# KiCad board AmigaPCI Mainboard.kicad_pcb (continued)
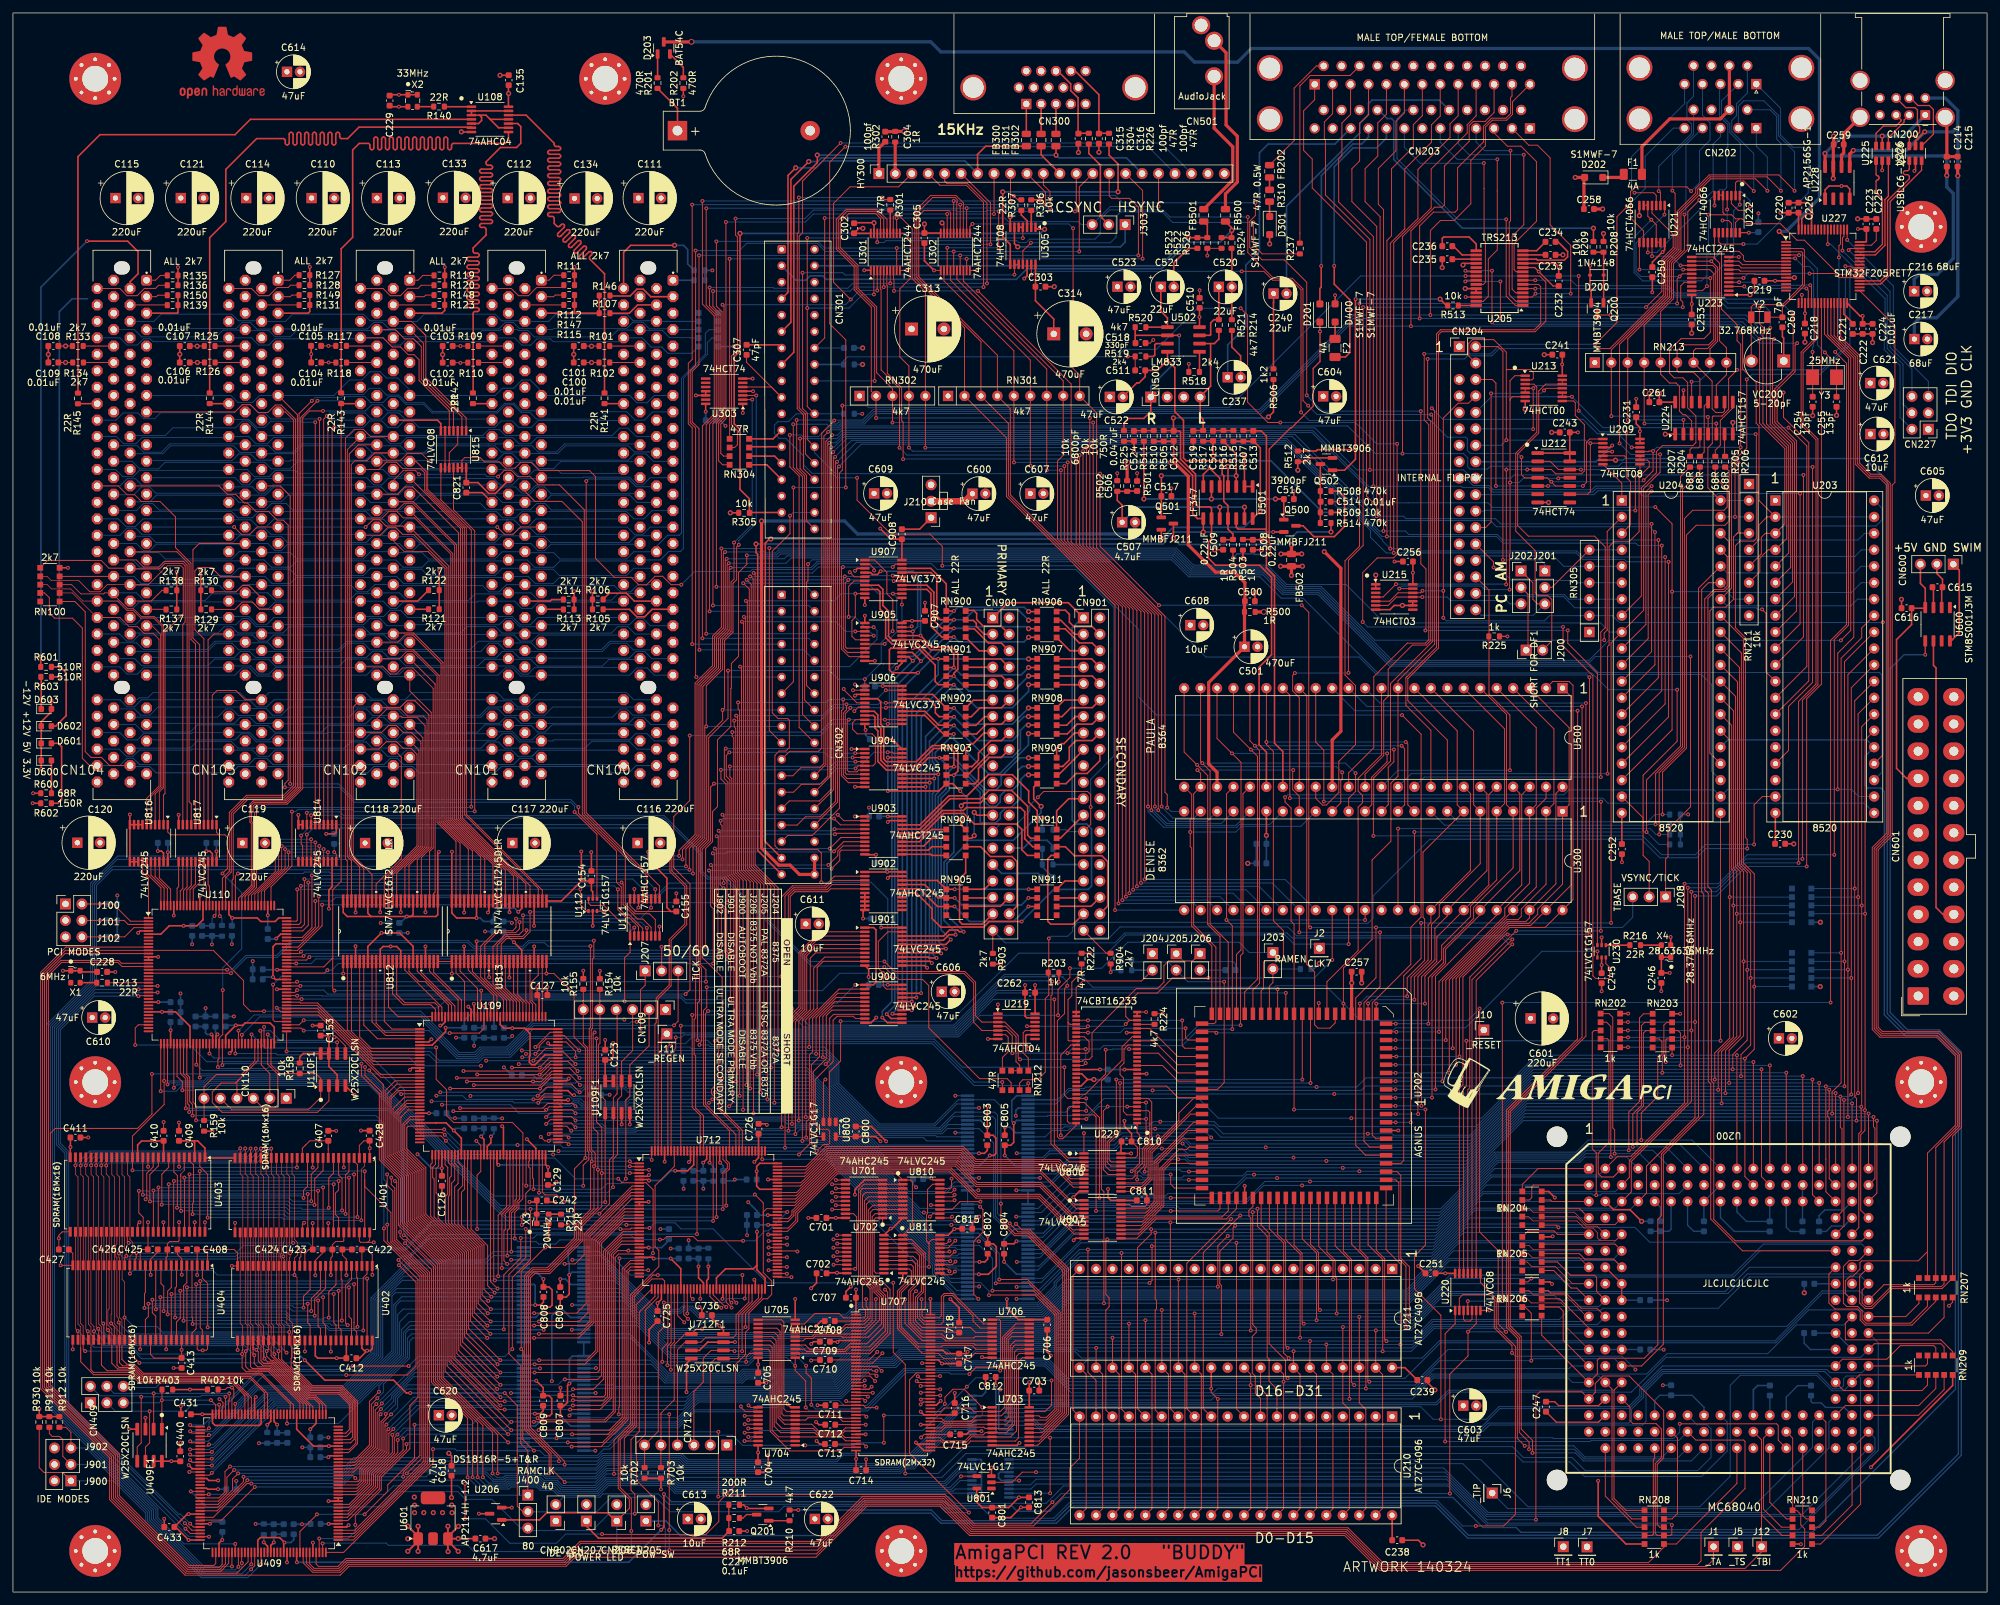
[diagram p0: board, top side]
## Routing (per net, layer and track width the routed paths; a pad name or vN(x,y) marks a point on that pad's centre or on a via; arc(x,y) is an arc through that point) (continued)
A9: length 407
  Top w0.15: v2(182.45,43.02) 182.47,43 U211.28 183.49,33.63 183.49,12.88 U210.28 ; v2(204.38,43.02) 204.38,48.46 204.15,48.69 204.15,51.23 202.88,52.5 U202.68 ; U200.70 267.04,52.69 262.14,57.6 262.14,78.48 261.76,78.86 261.76,107.9 261.21,108.45 261.21,153.35 262.66,154.8 264.11,154.8 264.68,155.36 264.68,159.91 U204.37 ; RN206.6 233.9,47.89 v2(234.44,48.43)
  Bottom w0.15: U200.70 269.73,52.69 265.69,48.65 235.93,48.65 235.71,48.43 v2(234.44,48.43) 221.79,48.43 216.39,43.02 v2(204.38,43.02) v2(182.45,43.02) 162.06,43.02 159.79,40.75 132,40.75 127.69,36.44 121.56,36.44 121.19,36.82 114.51,36.82 113.76,36.07 101.49,36.07 96.42,41.14 U804.44 ; U203.37 285.42,160.94 284.39,159.91 264.68,159.91 U204.37
A10: length 398
  Top w0.15: RN206.1 236.03,39.66 U200.115 244.63,33.68 244.63,35.8 244.94,36.11 251.89,36.11 253.97,38.19 253.97,57.56 254.52,58.11 254.52,67.65 260.25,73.38 260.25,109.09 260.25,109.09 260.25,155 U204.36 ; v2(206.36,29.82) 206.36,51.26 204.15,53.47 U202.69 ; U210.29 186.02,12.88 v2(186.02,29.82) 185.01,30.83 U211.29 v2(185.01,31.43)
  Bottom w0.15: v2(186.02,29.82) v2(206.36,29.82) 216.06,29.82 219.3,33.06 240.1,33.06 240.79,32.37 U200.115 ; U203.36 285.36,158.4 284.33,157.38 264.68,157.38 U204.36 ; U805.44 92.98,24.38 94.28,25.68 102.64,25.68 105.1,28.14 114.31,28.14 114.97,28.8 117.81,28.8 118.89,29.88 127.91,29.88 132.7,34.67 136.3,34.67 137.55,35.92 143.64,35.92 144.76,34.8 151.28,34.8 151.69,35.21 159.39,35.21 163.17,31.43 v2(185.01,31.43)
A11: length 387.5
  Top w0.15: U200.111 251.46,34.91 254.82,38.27 254.82,67.52 261.06,73.77 261.06,107.77 260.74,108.09 260.74,154.81 261.79,155.86 U204.35 ; U211.31 191.11,33.63 191.11,12.88 U210.31 ; v2(234.43,35.73) 234.43,43.06 233.48,44.01 RN206.9 ; v2(207.09,31.95) 206.65,32.39 206.65,51.39 205.42,52.62 U202.70
  Bottom w0.15: 143.75,36.22 143.21,36.22 ; U200.111 247.28,36.03 234.74,36.03 v2(234.43,35.73) 220.27,35.73 216.5,31.95 v2(207.09,31.95) v2(191.11,31.95) 163.07,31.95 159.51,35.51 151.57,35.51 151.15,35.09 144.89,35.09 143.76,36.22 143.21,36.22 ; U203.35 285.38,155.86 283.86,154.34 265.17,154.34 U204.35 ; 143.21,36.22 137.35,36.22 136.1,34.97 132.58,34.97 127.79,30.18 118.76,30.18 117.93,29.35 105.89,29.35 102.52,25.98 94.16,25.98 93.19,25.01 U805.43
A12: length 231.8
  Top w0.15: U211.32 v2(192.63,31.43) 193.64,30.41 193.64,12.88 U210.32 ; U202.71 206.69,53.71 208.89,51.5 v2(208.89,31.43) ; RN206.2 238.73,44.01 239.36,43.38 239.36,38.87 U200.109
  Bottom w0.15: U805.46 92.13,23.1 94.41,25.38 102.76,25.38 105.22,27.84 114.43,27.84 115.09,28.5 117.93,28.5 119.01,29.58 127.53,29.58 128.31,28.8 131.84,28.8 137.54,34.5 151.4,34.5 151.82,34.91 159.26,34.91 163.4,30.77 185.32,30.77 185.98,31.43 v2(192.63,31.43) v2(208.89,31.43) 216.4,31.43 219.49,34.52 240.28,34.52 240.67,34.91 U200.109
A13: length 231.4
  Top w0.11: RN206.8 233.79,45.29 234.44,44.64 234.45,44.65 239.04,44.65 239.86,43.83 239.86,40.91 U200.103
  Top w0.15: U211.33 196.19,33.63 v2(196.19,32.48) 196.19,12.88 U210.33 ; v2(209.42,32.48) 209.19,32.7 209.19,51.63 207.96,52.86 U202.72
  Bottom w0.15: U805.41 102.39,26.28 105.76,29.65 117.81,29.65 118.64,30.48 127.67,30.48 132.46,35.27 135.98,35.27 137.23,36.52 143.89,36.52 145.01,35.39 151.03,35.39 151.44,35.81 159.63,35.81 162.97,32.48 v2(196.19,32.48) 216.6,32.48 221.57,37.45 U200.103
A14: length 222.1
  Top w0.15: RN206.3 238.8,45.29 243.32,40.77 U200.97 ; U210.34 198.73,12.88 198.73,33.63 U211.34 197.71,37.16 v2(197.73,37.18) ; U202.73 209.23,53.63 211.49,51.37 v2(211.49,37.18)
  Bottom w0.15: U805.37 103.66,28.82 105.39,30.55 117.44,30.55 118.27,31.38 127.29,31.38 132.08,36.17 135.6,36.17 136.85,37.42 144.26,37.42 145.21,36.47 147.67,36.47 148.62,37.42 164.27,37.42 164.51,37.18 v2(197.73,37.18) v2(211.49,37.18) 215.9,37.18 219.45,40.73 231.01,40.73 231.75,39.99 U200.97
A15: length 221.8
  Top w0.11: 242.99,42.53 239.62,45.89 234.75,45.89 234.07,46.57 RN206.7
  Top w0.15: U202.74 210.5,52.78 211.79,51.49 211.79,39.02 v2(212.06,38.75) ; v2(200.26,38.75) 200.25,38.74 U211.35 201.26,33.63 201.26,12.88 U210.35
  Bottom w0.15: U200.91 242.57,41.79 219.23,41.79 216.2,38.75 v2(212.06,38.75) v2(200.26,38.75) 161.29,38.75 160.89,38.35 132.99,38.35 126.92,32.28 117.89,32.28 117.06,31.45 88.22,31.45
A16: length 226.7
  Top w0.15: U210.36 203.81,12.88 203.81,33.63 U211.36 v2(202.79,38.23) ; U202.75 212.01,52.88 214.23,50.66 v2(214.23,38.23) ; RN206.4 237.04,46.57 237.44,46.18 239.77,46.18 242.13,43.82 244.57,43.82 U200.92
  Bottom w0.15: U200.92 244.66,41.33 219.2,41.33 216.1,38.23 v2(214.23,38.23) v2(202.79,38.23) 161.2,38.23 161.02,38.05 133.11,38.05 127.04,31.98 118.02,31.98 117.19,31.15 105.14,31.15 104.08,30.09 U805.35
A17: length 225.8
  Top w0.15: RN205.1 237.88,49.65 240.59,46.94 241.45,46.94 U200.85 ; U202.76 213.52,63.65 213.98,63.19 213.98,51.43 215.08,50.33 v2(215.08,40.92) ; U210.37 206.35,12.88 206.35,28.19 205.33,29.2 U211.37 205.33,40.9 v2(205.35,40.92)
  Bottom w0.15: U200.85 238.71,45.07 237.97,45.81 220.88,45.81 215.99,40.92 v2(215.08,40.92) v2(205.35,40.92) 161.66,40.92 160.29,39.55 132.49,39.55 126.44,33.5 113.02,33.5 112.42,32.9 100.88,32.9 98.61,35.17 U805.27
A18: length 232.1
  Top w0.11: U200.79 240.79,47.61 238.11,50.29 234.48,50.29 233.8,50.97 RN205.9
  Top w0.15: U210.38 208.88,12.88 208.88,28.2 207.87,29.21 U211.38 v2(207.87,42.5) ; U202.77 213.69,64.92 214.28,64.33 214.28,51.55 215.61,50.22 v2(215.61,42.5)
  Bottom w0.15: U200.79 239.75,47.61 239.01,48.35 236.21,48.35 235.47,47.61 221.41,47.61 216.29,42.5 v2(215.61,42.5) v2(207.87,42.5) 161.96,42.5 159.92,40.45 132.12,40.45 126.07,34.4 112.65,34.4 112.05,33.8 101.26,33.8 95.18,39.88 88.13,39.88
A19: length 227.3
  Top w0.15: U200.86 244.52,46.41 244.52,48.59 244.19,48.92 240.5,48.92 238.45,50.97 RN205.2 ; U202.59 191.45,59.53 190.82,58.91 190.82,58.07 191.12,57.78 191.12,40.4 v2(191.12,40.39) ; U210.39 211.48,12.94 211.48,33.58 U211.39 210.41,40.38 v2(210.43,40.39)
  Bottom w0.15: U805.29 99.46,33.9 100.76,32.6 112.55,32.6 113.15,33.2 126.57,33.2 132.62,39.25 160.41,39.25 161.56,40.39 v2(191.12,40.39) v2(210.43,40.39) 215.88,40.39 219.58,44.09 244.87,44.09 U200.86
A20: length 218.9
  Top w0.11: RN205.8 233.99,52.25 234.62,51.62 241.85,51.62 243.32,50.15
  Top w0.15: v2(168.45,44.6) 168.44,44.61 168.44,61.82 168.05,62.21 168.05,78.91 168.44,79.3 168.44,79.3 171.25,82.11 171.25,84.19 172.81,85.75 U229.22
  Bottom w0.15: U804.41 95.36,43.05 101.74,36.68 113.47,36.68 114.22,37.43 121.43,37.43 121.81,37.05 127.44,37.05 131.75,41.35 159.54,41.35 162.79,44.6 v2(168.45,44.6) 215.6,44.6 221.16,50.15 243.32,50.15
A21: length 173.8
  Top w0.11: RN205.7 234.07,53.53 234.72,52.88 243.13,52.88
  Bottom w0.15: U200.67 222.42,52.69 215.46,45.72 162.64,45.72 159.17,42.25 131.37,42.25 128.3,39.18 100.51,39.18 94.1,45.59 U804.37
A22: length 175.5
  Top w0.15: RN205.6 233.95,55.76 237.96,55.76 238.49,55.23 U200.61
  Bottom w0.15: 243.04,55.51 223.97,55.51 215.08,46.62 162.27,46.62 158.8,43.15 131,43.15 127.93,40.07 100.88,40.07 92.83,48.13 U804.33
A23: length 182.3
  Top w0.15: 248.4,50.15 247.15,51.4 242.7,51.4 241.85,52.25 RN205.3
  Bottom w0.15: U804.40 95.15,43.69 101.11,37.72 121.56,37.72 121.94,37.34 127.32,37.34 131.62,41.65 159.42,41.65 162.89,45.12 215.7,45.12 221.77,51.19 247.36,51.19 248.4,50.15
A24: length 174
  Top w0.15: RN204.3 241.83,59.26 243.32,57.77
  Bottom w0.15: U804.26 90.5,52.57 99.42,43.66 102.86,43.66 103.35,44.15 104.91,44.15 106.16,42.9 128.63,42.9 130.38,44.65 158.18,44.65 160.77,47.25 160.77,47.85 164.76,51.83 219.02,51.83 224.96,57.77 243.32,57.77
A25: length 182.1
  Top w0.15: U200.69 247.36,53.73 236.24,53.73
  Bottom w0.15: U200.69 247.2,51.49 221.64,51.49 215.58,45.43 162.77,45.43 159.29,41.95 131.5,41.95 127.19,37.64 122.06,37.64 121.68,38.02 101.24,38.02 94.31,44.95 U804.38
A26: length 178
  Top w0.11: RN204.2 241.38,57.98 242.86,56.5 244.6,56.5 U200.62
  Bottom w0.15: U200.62 244.87,54.25 223.13,54.25 215.21,46.32 162.4,46.32 158.92,42.85 131.13,42.85 128.05,39.77 100.76,39.77 93.67,46.86 U804.35
A27: length 177.7
  Top w0.15: U200.37 237.63,60.31 237.4,60.54 RN204.4 ; v2(175.49,47.73) 175.88,48.12 175.88,53.38 v2(175.84,53.41)
  Bottom w0.15: U804.30 91.77,50.03 101.13,40.68 105.14,40.68 106.47,42 129,42 130.75,43.75 158.55,43.75 162.53,47.73 v2(175.49,47.73) ; U200.37 226.22,60.31 219.32,53.41 v2(175.84,53.41)
A28: length 187.4
  Top w0.11: U200.63 247.43,54.27 245.06,54.27 244.62,54.71 244.62,55.52 243.93,56.21 242.59,56.21 241.49,57.31 234.68,57.31 234.01,57.98 RN204.9
  Bottom w0.15: U804.36 93.89,46.22 100.64,39.47 128.18,39.47 131.25,42.55 159.05,42.55 162.52,46.02 215.33,46.02 223.24,53.93 247.1,53.93 U200.63
A29: length 183.9
  Top w0.15: v2(187.56,54.99) 186.04,53.46 186.04,47.15 v2(186.03,47.15) ; RN204.7 234.14,60.54 234.51,60.91 234.51,62.59 234.77,62.85 U200.19
  Bottom w0.15: U804.32 92.62,48.76 101.01,40.38 105.26,40.38 106.59,41.7 129.13,41.7 130.88,43.45 158.67,43.45 162.37,47.15 v2(186.03,47.15) ; v2(187.56,54.99) 219.62,54.99 227.49,62.85 U200.19
A30: length 188.1
  Top w0.11: 248.4,57.77 247.38,56.76 242.97,56.76 241.07,58.65 234.7,58.65 234.1,59.26 RN204.8
  Bottom w0.15: U804.27 90.72,51.94 99.3,43.36 102.99,43.36 103.48,43.85 104.78,43.85 106.03,42.6 128.75,42.6 130.5,44.35 158.3,44.35 161.07,47.12 161.07,47.72 164.58,51.23 218.84,51.23 224.44,56.84 239.84,56.84 239.94,56.74 247.36,56.74 248.4,57.77
A31: length 190.4
  Top w0.15: U200.1 235.48,65.39 233.04,62.95 RN204.6 ; v2(186.58,39.81) 186.58,47.34 186.33,47.59 186.33,52.61 188.38,54.66 188.38,56.24 v2(188.71,56.56)
  Bottom w0.15: U805.30 99.67,33.26 100.64,32.3 112.67,32.3 113.27,32.9 126.69,32.9 132.74,38.95 160.54,38.95 161.4,39.81 v2(186.58,39.81) ; U200.1 228.76,65.39 219.93,56.56 v2(188.71,56.56)
ACSEL0: length 68
  Top w0.15: v2(46.16,110.66) 46.16,102.59 44.66,101.09 U110.102 ; v2(99.18,108.53) 99.19,108.52 U111.10
  Bottom w0.15: v2(99.18,108.53) 97.05,110.66 v2(46.16,110.66)
ACSEL1: length 69.3
  Top w0.15: U110.104 44.73,102.09 45.6,102.96 v2(45.6,109.57) ; v2(93.96,109.57) 94.22,109.31 94.22,106.15 96.45,103.92 97.25,103.92 98.53,102.64 U111.6
  Bottom w0.15: v2(93.96,109.57) v2(45.6,109.57)
ACSEL2: length 64.4
  Top w0.15: U110.105 44.5,102.59 45,103.09 v2(45,110.1) ; U111.13 97.24,108.55 v2(97.24,108.56)
  Bottom w0.15: v2(45,110.1) 95.7,110.1 v2(97.24,108.56)
ACSEL3: length 66
  Top w0.15: v2(93.4,108.51) 93.4,105.38 94.63,104.14 95.16,104.14 96.59,102.72 U111.3 ; U110.106 44.14,103.09 44.46,103.41 v2(44.46,109.05)
  Bottom w0.15: v2(93.4,108.51) 92.86,109.05 v2(44.46,109.05)
ACSEL4: length 54.2
  Top w0.15: U112.1 88.61,105.16 87.61,106.16 v2(87.61,108.51) ; U110.107 43.73,103.59 43.9,103.76 v2(43.9,108.51)
  Bottom w0.15: v2(87.61,108.51) v2(43.9,108.51)
AD0: length 109.2
  Top w0.15: U812.40 56.07,109.32 59.96,113.21 59.96,128.93 CN102.A58
  Bottom w0.13: 58.87,130.31 72.26,130.31 73.22,131.27 74.94,131.27 75.9,130.31 78.88,130.31 ; 38.25,130.32 37.16,130.32 34.73,130.32 33.68,131.37 28.43,131.37 27.37,130.31 18.23,130.31 ; 99.35,130.16 96.39,130.16 95.18,131.37 89.38,131.37 88.31,130.3 79.17,130.3 ; 58.57,130.32 55.48,130.32 54.53,131.27 52.18,131.27 51.22,130.31 38.55,130.31
AD1: length 119.7
  Top w0.15: CN102.B58 56.49,130.16 57.63,131.3 59.23,131.3 60.24,130.29 61.45,130.29 62.38,129.36 62.38,115.22 57.34,110.18 U812.38
  Bottom w0.13: 74.1,130.01 77.01,130.01 77.96,129.06 80.19,129.06 81.13,130 ; CN104.B58 16.39,130.16 17.5,129.06 18.54,129.06 19.49,130.01 27.49,130.01 27.65,130.16 CN103.B58 ; 80.2,129.09 81.11,130 94.11,130 ; 53.48,130.01 40.47,130.01 39.52,129.06 37.95,129.06 36.99,130.02 33.47,130.02 ; 53.79,130.02 56.9,130.02 57.86,129.06 59.77,129.06 60.72,130.01 73.81,130.01
AD2: length 111.5
  Top w0.15: U812.37 57.97,110.46 62.68,115.17 62.68,130.02 61.26,131.44
  Bottom w0.13: 20.79,131.6 34.3,131.6 35.24,132.54 36.32,132.54 37.57,131.29 40.8,131.29 ; 81.43,131.28 78.24,131.28 76.97,132.55 75.55,132.55 74.53,131.53 73.4,131.53 73.39,131.52 61.35,131.52 ; 41.04,131.53 54.16,131.53 55.18,132.55 56.65,132.55 57.91,131.29 61.12,131.29 ; 101.89,131.42 99.04,131.42 97.93,132.54 96.13,132.54 95.19,131.6 83.51,131.6 83.34,131.44 81.58,131.44
AD3: length 121.5
  Top w0.15: U812.36 58.61,110.75 62.98,115.12 62.98,123.93 62.98,131.03 62.98,131.28 61.51,132.75 60.25,132.75 59.19,133.82 58.01,133.82 56.9,132.7 CN102.B56
  Bottom w0.13: 53.63,132.7 48.51,132.7 48.38,132.57 40.52,132.57 39.54,131.59 37.71,131.59 36.53,132.77 33.39,132.77 ; CN103.B56 27.71,132.7 27.57,132.57 20.2,132.57 19.22,131.59 17.62,131.59 16.51,132.7 CN104.B56 ; 73.8,132.54 60.13,132.54 59.17,131.59 58.03,131.59 56.77,132.85 53.79,132.85 ; 94.12,132.54 81.13,132.54 80.17,131.58 78.36,131.58 77.09,132.85 74.18,132.85
AD4: length 113.3
  Top w0.15: CN102.A55 63.28,131.96 63.28,115.06 59.25,111.03 U812.35
  Bottom w0.13: 40.8,134.12 37.54,134.12 36.58,135.08 35.1,135.08 34.16,134.14 20.79,134.14 ; 41.04,134.07 54.47,134.07 55.48,135.08 57.27,135.08 58.24,134.11 61.13,134.11 ; 61.43,134.14 75.11,134.14 76.05,135.08 77.5,135.08 78.46,134.12 81.42,134.12 ; 81.75,134.14 95.06,134.14 96,135.08 97.35,135.08 98.47,133.96 101.89,133.96
AD5: length 122.3
  Top w0.13: 63.93,133 63.93,134.69 63.34,135.27 60.94,135.27 59.86,136.35 57.72,136.35 56.18,134.81 CN102.B55
  Top w0.15: U812.32 61.15,112.23 63.93,115.01 63.93,133
  Bottom w0.13: 35.8,133.91 28.49,133.91 27.38,132.8 20.09,132.8 18.91,133.97 CN104.B55 ; 56.05,133.84 48.72,133.84 47.68,132.8 40.37,132.8 39.35,133.82 36.48,133.82 ; 56.28,133.88 59.8,133.88 60.9,132.77 71.72,132.77 72.86,133.91 76.44,133.91 ; 77.12,133.82 80,133.82 81.02,132.8 82.15,132.8 83.26,133.91 96.76,133.91
AD6: length 117.9
  Top w0.13: 60,135.18 60.15,135.04 62.37,135.04 63.07,134.35
  Top w0.15: U812.33 60.51,111.94 63.63,115.06 63.63,133.78 63.07,134.35 ; CN102.A54 59.94,135.24 60,135.18
  Bottom w0.13: 58.61,135.35 55.58,135.35 54.57,136.36 53.17,136.36 51.91,135.1 38.54,135.1 ; 18.23,135.1 31.6,135.1 32.86,136.36 33.79,136.36 34.81,135.34 38.31,135.34 ; 58.86,135.09 72.23,135.09 73.5,136.36 74.92,136.36 75.94,135.34 78.93,135.34 ; 99.2,135.41 95.7,135.41 94.75,136.36 93.82,136.36 92.55,135.09 79.17,135.09
AD7: length 122.7
  Top w0.15: U812.30 62.42,113.14 64.23,114.95 64.23,135.47 62.07,137.63 60.8,137.63 59.78,136.61 56.28,136.61
  Bottom w0.13: 76.67,136.35 79.5,136.35 80.46,135.39 82.06,135.39 83.33,136.66 96.65,136.66 ; 56.31,136.39 59.31,136.39 60.31,135.39 72.11,135.39 73.38,136.66 76.34,136.66 ; 35.93,136.45 39.05,136.45 40.1,135.4 41.43,135.4 42.69,136.66 56.03,136.66 ; 15.69,136.37 18.77,136.37 19.74,135.4 21.12,135.4 22.38,136.66 35.72,136.66
AD8: length 117.3
  Top w0.15: CN102.B52 52.53,136.67 52.53,113.71 55.44,110.8 U812.41
  Bottom w0.13: 74.13,137.62 76.96,137.62 77.9,136.68 79.5,136.68 80.6,137.77 94.27,137.77 ; CN102.B52 55.12,137.78 55.25,137.65 56.9,137.65 57.93,136.62 59.79,136.62 60.96,137.78 CN101.B52 ; CN104.B52 16.52,137.78 17.63,136.68 18.72,136.68 19.82,137.78 CN103.B52 ; 33.46,137.65 36.6,137.65 37.57,136.68 39.19,136.68 40.3,137.78 53.63,137.78
AD9: length 121.6
  Top w0.15: 61.26,141.59 61.26,139.15 64.58,135.83 64.58,114.95 63.06,113.42 63.06,106.7
  Bottom w0.13: 40.94,141.59 54.61,141.59 55.72,142.71 56.88,142.71 58.24,141.35 61.02,141.35 ; 61.26,141.58 74.92,141.58 76.04,142.7 77.13,142.7 78.39,141.44 81.43,141.44 ; 20.62,141.59 34.29,141.59 35.4,142.71 36.5,142.71 37.76,141.45 40.8,141.45 ; 101.89,141.58 99.04,141.58 97.93,142.7 96.35,142.7 95.23,141.58 81.57,141.58
AD10: length 130.7
  Top w0.13: CN102.B48 57.16,142.86 58.27,141.76 59.2,141.76 60.14,142.7 61.72,142.7 64.88,139.54 64.88,139.48
  Top w0.15: U812.27 64.32,114.34 64.88,114.9 64.88,139.48
  Bottom w0.13: 33.26,142.8 20.27,142.8 19.22,141.75 17.62,141.75 16.51,142.86 CN104.B48 ; 53.79,143.01 57,143.01 58.26,141.75 59.68,141.75 60.7,142.77 73.87,142.77 ; 94.17,142.75 80.52,142.75 79.51,141.74 78.57,141.74 77.31,143 74.09,143 ; 33.46,143.01 36.67,143.01 37.93,141.75 39.54,141.75 40.55,142.76 53.54,142.76
AD11: length 122.8
  Top w0.15: CN102.A47 65.18,140.22 65.18,108.1 64.96,107.88 U812.26
  Bottom w0.13: 41.11,144.3 54.54,144.3 55.51,145.27 57,145.27 58,144.27 61.13,144.27 ; 81.46,144.26 78.16,144.26 77.18,145.24 75.57,145.24 74.58,144.25 61.38,144.25 ; 40.78,144.3 37.47,144.3 36.53,145.24 35.11,145.24 34.17,144.3 20.79,144.3 ; 81.66,144.22 95.15,144.22 96.17,145.24 97.54,145.24 98.66,144.12 101.89,144.12
AD12: length 131.4
  Top w0.13: CN102.B47 59.7,144.13 60.81,145.24 61.72,145.24 65.48,141.48 65.48,141.12
  Top w0.15: U813.47 68.4,115.94 65.48,118.86 65.48,141.12
  Bottom w0.13: CN104.B47 18.79,144.13 19.9,143.03 30.09,143.03 31.13,144.07 35.8,144.07 ; 56.12,144.07 51.44,144.07 50.36,142.99 40.53,142.99 39.48,144.04 35.95,144.04 ; 56.28,144.04 59.65,144.04 60.66,143.03 71.83,143.03 72.82,144.02 76.39,144.02 ; 96.68,143.99 92,143.99 90.99,142.98 80.97,142.98 79.92,144.03 76.58,144.03
AD13: length 128.9
  Top w0.15: 58.82,145.5 61.83,145.5 65.8,141.53 65.8,118.9 69.04,115.66 U813.46
  Bottom w0.13: 99.25,145.49 95.77,145.49 94.75,146.51 92.27,146.51 91.01,145.25 79.17,145.25 ; 18.23,145.26 30.07,145.26 31.33,146.52 33.81,146.52 34.83,145.5 38.31,145.5 ; 38.54,145.26 50.38,145.26 51.64,146.52 54.12,146.52 55.14,145.5 58.62,145.5 ; 58.86,145.25 72.23,145.25 73.5,146.52 74.92,146.52 75.94,145.5 78.93,145.5
AD14: length 134.7
  Top w0.13: 60.52,147.79 59.41,146.67 CN102.B45
  Top w0.15: U813.44 70.31,114.74 66.1,118.95 66.1,143.42 61.73,147.79 60.52,147.79
  Bottom w0.13: 15.64,146.58 19.09,146.58 20.11,145.56 29.95,145.56 31.21,146.82 35.72,146.82 ; 76.34,146.82 71.85,146.82 70.58,145.55 60.74,145.55 59.74,146.55 56.29,146.55 ; 56.03,146.82 51.51,146.82 50.25,145.56 40.42,145.56 39.4,146.58 35.95,146.58 ; 96.66,146.81 92.15,146.81 90.89,145.55 81.05,145.55 80.03,146.57 76.58,146.57
AD15: length 131.8
  Top w0.15: 58.87,148.09 61.85,148.09 66.4,143.54 66.4,119 70.94,114.46 U813.43
  Bottom w0.13: 58.86,148.08 69.13,148.08 70.13,149.08 74.51,149.08 75.51,148.08 78.89,148.08 ; 58.63,148.04 55.11,148.04 54.1,149.05 42.66,149.05 41.7,148.09 38.55,148.09 ; 79.17,148.08 92.39,148.08 93.39,149.08 94.93,149.08 96.07,147.94 99.35,147.94 ; 18.23,148.09 31.64,148.09 32.6,149.05 33.78,149.05 34.74,148.09 38.26,148.09
AD16: length 147.9
  Top w0.13: 61.64,160.66 60.41,160.66 58.72,162.34 CN102.A32
  Top w0.15: U813.41 72.21,113.54 66.7,119.06 66.7,158.06 64.09,160.66 61.64,160.66
  Bottom w0.13: 18.24,163.03 21.12,163.03 22.07,162.08 33.93,162.08 34.96,163.11 38.33,163.11 ; 79.18,163.02 81.11,163.02 81.12,163.03 82.05,163.03 83,162.08 95.16,162.08 96.19,163.11 99.29,163.11 ; 58.87,163.02 61.75,163.02 62.74,162.03 74.38,162.03 75.45,163.1 78.96,163.1 ; 38.55,163.03 41.43,163.03 42.38,162.08 54.58,162.08 55.62,163.12 58.66,163.12
AD17: length 153.7
  Top w0.13: 60.94,163.33 60.14,163.33 59.1,164.37 57.86,164.37 56.68,163.19 CN102.B32
  Top w0.15: 60.94,163.33 61.85,163.33 67,158.18 67,119.11 72.85,113.26 U813.40
  Bottom w0.13: 33.48,163.34 36.52,163.34 37.47,164.29 38.86,164.29 39.82,163.33 53.49,163.33 ; CN104.B32 16.52,163.19 17.63,164.29 18.96,164.29 19.92,163.33 33.18,163.33 ; 53.81,163.35 57.03,163.35 57.97,164.29 59.18,164.29 60.15,163.32 73.83,163.32 ; 74.11,163.33 77.15,163.33 78.11,164.29 79.89,164.29 80.85,163.33 94.11,163.33
AD18: length 148.1
  Top w0.13: 77.23,163.33 78.35,164.45 CN101.A31 ; CN103.A31 37.72,164.45 36.6,163.34 35.27,163.34 v2(34.15,164.46)
  Top w0.15: v2(54.45,164.45) 55.59,165.59 56.63,165.59 57.61,164.61 60.2,164.61 60.35,164.45 CN102.A31 67.3,158.42 67.3,119.16 74.12,112.35 U813.38 ; 77.23,163.33 75.9,163.33 v2(74.78,164.45)
  Bottom w0.13: v2(74.78,164.45) 74.76,164.45 74.77,164.44 61.26,164.44 ; CN104.A31 34.13,164.45 34.13,164.46 v2(34.15,164.46) ; 101.89,164.44 98.39,164.44 97.29,163.34 95.96,163.34 94.85,164.44 81.57,164.44 ; CN103.A31 v2(54.45,164.45)
AD19: length 158.6
  Top w0.13: 53.75,165.83 57,165.83 58.02,166.85 59.28,166.85 60.26,165.87 62,165.87 67.6,160.27 67.6,159.63
  Top w0.15: 67.6,159.63 67.6,119.22 74.75,112.06 U813.37
  Bottom w0.13: 94.27,165.71 80.78,165.71 79.61,164.55 78.37,164.55 77.35,165.57 76.18,165.57 76.46,165.57 74.12,165.57 ; CN101.B30 60.74,165.72 59.62,164.61 58.26,164.61 57.24,165.63 53.74,165.63 ; CN103.B30 20.09,165.72 18.92,164.55 17.44,164.55 16.26,165.72 CN104.B30 ; 53.63,165.72 40.32,165.72 39.15,164.55 37.75,164.55 36.73,165.57 33.48,165.57
AD20: length 149.9
  Top w0.15: CN102.A29 67.9,160.36 67.9,119.27 75.39,111.78 U813.36
  Bottom w0.13: 101.89,166.98 98.68,166.98 97.41,165.72 95.85,165.72 94.71,166.86 81.72,166.86 ; 40.85,166.9 38,166.9 36.99,165.89 34.72,165.89 33.75,166.86 20.76,166.86 ; 81.48,166.89 78.63,166.89 77.62,165.88 75.61,165.88 74.66,166.83 61.43,166.83 ; 61.11,166.84 57.59,166.84 56.64,165.89 55.47,165.89 54.5,166.86 41.08,166.86
AD21: length 157
  Top w0.13: 68.2,161.38 68.2,161.62 61.7,168.12 60.41,168.12 59.38,167.09 56.28,167.09
  Top w0.15: U813.35 76.02,111.5 68.2,119.32 68.2,161.38
  Bottom w0.13: 56.33,167.14 59.85,167.14 60.84,168.13 72.15,168.13 73.15,167.13 76.37,167.13 ; 35.77,167.09 22.58,167.09 21.57,168.1 20.17,168.1 19.06,166.99 CN104.B29 ; 96.73,167.09 83.14,167.09 82.13,168.1 80.87,168.1 79.89,167.12 76.63,167.12 ; 56.08,167.09 43.21,167.09 42.2,168.1 39.94,168.1 38.97,167.13 36,167.13
AD22: length 155.4
  Top w0.15: 58.82,168.36 61.83,168.36 68.5,161.69 68.5,119.38 77.29,110.59 U813.33
  Bottom w0.13: 58.71,168.26 55.21,168.26 54.1,169.38 42.47,169.38 41.45,168.36 38.49,168.36 ; 58.82,168.36 61.78,168.36 62.8,169.38 74.43,169.38 75.55,168.25 79.04,168.25 ; 99.35,168.25 96.36,168.25 95.24,169.38 83.11,169.38 82.15,168.42 79.2,168.42 ; 18.18,168.36 21.14,168.36 22.16,169.38 33.79,169.38 34.9,168.26 CN103.A28
AD23: length 160.6
  Top w0.13: 60.53,170.65 59.41,169.53 CN102.B27 ; 68.8,119.92 68.8,119.42 77.93,110.29 U813.32
  Top w0.15: 68.8,119.92 68.8,163.58 61.73,170.65 60.53,170.65
  Bottom w0.13: 35.72,169.68 22.06,169.68 21.09,170.65 19.86,170.65 18.65,169.44 15.64,169.44 ; 76.34,169.68 62.7,169.68 61.73,170.65 60.77,170.65 59.55,169.43 56.27,169.43 ; 56.03,169.68 42.38,169.68 41.41,170.65 40.25,170.65 38.99,169.39 36,169.39 ; 96.75,169.61 83.09,169.61 82.05,170.65 81.12,170.65 81.11,170.64 80.88,170.64 79.62,169.38 76.63,169.38
AD24: length 157.3
  Top w0.15: U813.30 79.2,109.36 69.1,119.46 69.1,164.24 CN102.A25
  Bottom w0.13: 40.8,171.93 37.41,171.93 36.44,170.96 35.4,170.96 34.29,172.07 CN104.A25 ; 81.43,171.92 78.04,171.92 77.07,170.95 75.24,170.95 74.23,171.96 70.06,171.96 69.95,172.06 61.26,172.06 ; 81.57,172.06 87.98,172.06 88.07,172.16 95.18,172.16 96.37,170.97 97.28,170.97 98.38,172.06 101.89,172.06 ; 61.19,172 57.99,172 56.95,170.96 55.72,170.96 54.61,172.07 CN103.A25
AD25: length 169.3
  Top w0.13: 69.4,163.47 69.4,164.28 63.56,170.11 63.56,172.83
  Top w0.15: 63.56,172.83 62.92,173.48 60.17,173.48 59.18,174.47 57.64,174.47 56.51,173.34 CN102.B24 ; U813.29 79.83,109.08 69.4,119.51 69.4,163.47
  Bottom w0.13: 53.63,173.34 53.04,172.75 44.01,172.75 43.55,173.21 40.52,173.21 39.54,172.23 37.28,172.23 36.16,173.34 33.31,173.34 ; CN102.B24 57.15,173.34 58.26,172.23 59.86,172.23 60.9,173.27 67.09,173.27 67.37,173.55 73.76,173.55 ; 33.16,173.18 19.5,173.18 18.55,172.23 16.97,172.23 15.85,173.34 CN104.B24 ; 73.95,173.33 77.09,173.33 78.2,172.22 79.49,172.22 80.5,173.24 84.15,173.24 84.64,172.74 93.67,172.74 94.27,173.33
AD26: length 160.6
  Top w0.13: 69.7,163.86 69.7,164.3 63.81,170.2 63.81,173.02
  Top w0.15: U813.27 81.1,108.66 69.7,120.07 69.7,163.86 ; 63.81,173.02 62.21,174.61 CN102.A23
  Bottom w0.13: 61.13,174.75 57.86,174.75 56.86,175.75 55.43,175.75 54.46,174.78 42.9,174.78 42.76,174.64 40.97,174.64 ; 20.72,174.71 33.82,174.71 34.83,175.72 36.72,175.72 37.66,174.78 40.78,174.78 ; 81.52,174.68 78.2,174.68 77.06,175.82 75.82,175.82 74.75,174.75 61.4,174.75 ; 101.89,174.6 98.88,174.6 97.74,175.75 95.95,175.75 94.98,174.78 81.75,174.78
AD27: length 168
  Top w0.13: 70,163.89 70,164.33 64.04,170.29 64.04,172.7 64.05,172.71 64.05,174.86 63.1,175.81 60.9,175.81 59.86,174.77 56.34,174.77
  Top w0.15: U813.26 81.74,108.38 70,120.12 70,163.89
  Bottom w0.13: 76.64,174.45 80.19,174.45 81.13,173.51 83.5,173.51 84.54,174.55 95.44,174.55 95.51,174.61 CN100.B23 ; 76.34,174.45 67.85,174.45 66.9,173.5 60.82,173.5 59.8,174.52 56.28,174.52 ; 35.7,174.45 23.49,174.45 22.48,173.44 19.57,173.44 18.39,174.61 CN104.B23 ; 56.12,174.55 43.9,174.55 42.79,173.44 39.89,173.44 38.87,174.46 36.01,174.46
AD28: length 159.4
  Top w0.13: 54.57,174.7 52.81,174.7 52.23,174.12 52.23,173.44
  Top w0.15: U812.43 54.16,111.72 52.23,113.66 52.23,173.44 ; CN102.A22 55.84,175.88 54.66,174.7 54.57,174.7
  Bottom w0.13: 58.62,175.98 55.39,175.98 54.37,177 44.66,177 43.44,175.78 38.51,175.78 ; 38.31,175.98 35.08,175.98 34.06,177 24.35,177 23.13,175.78 18.19,175.78 ; 99.2,176.05 98.08,176.05 98.08,176.05 95.95,176.05 95,176.99 85.29,176.99 84.12,175.82 79.11,175.82 ; 78.88,176.05 75.38,176.05 74.43,177 73.5,177 73.49,176.99 64.98,176.99 63.76,175.77 58.84,175.77
